# Altium PCB 电磁阀V4.0.PcbDoc (part 1 of 2) (continued)
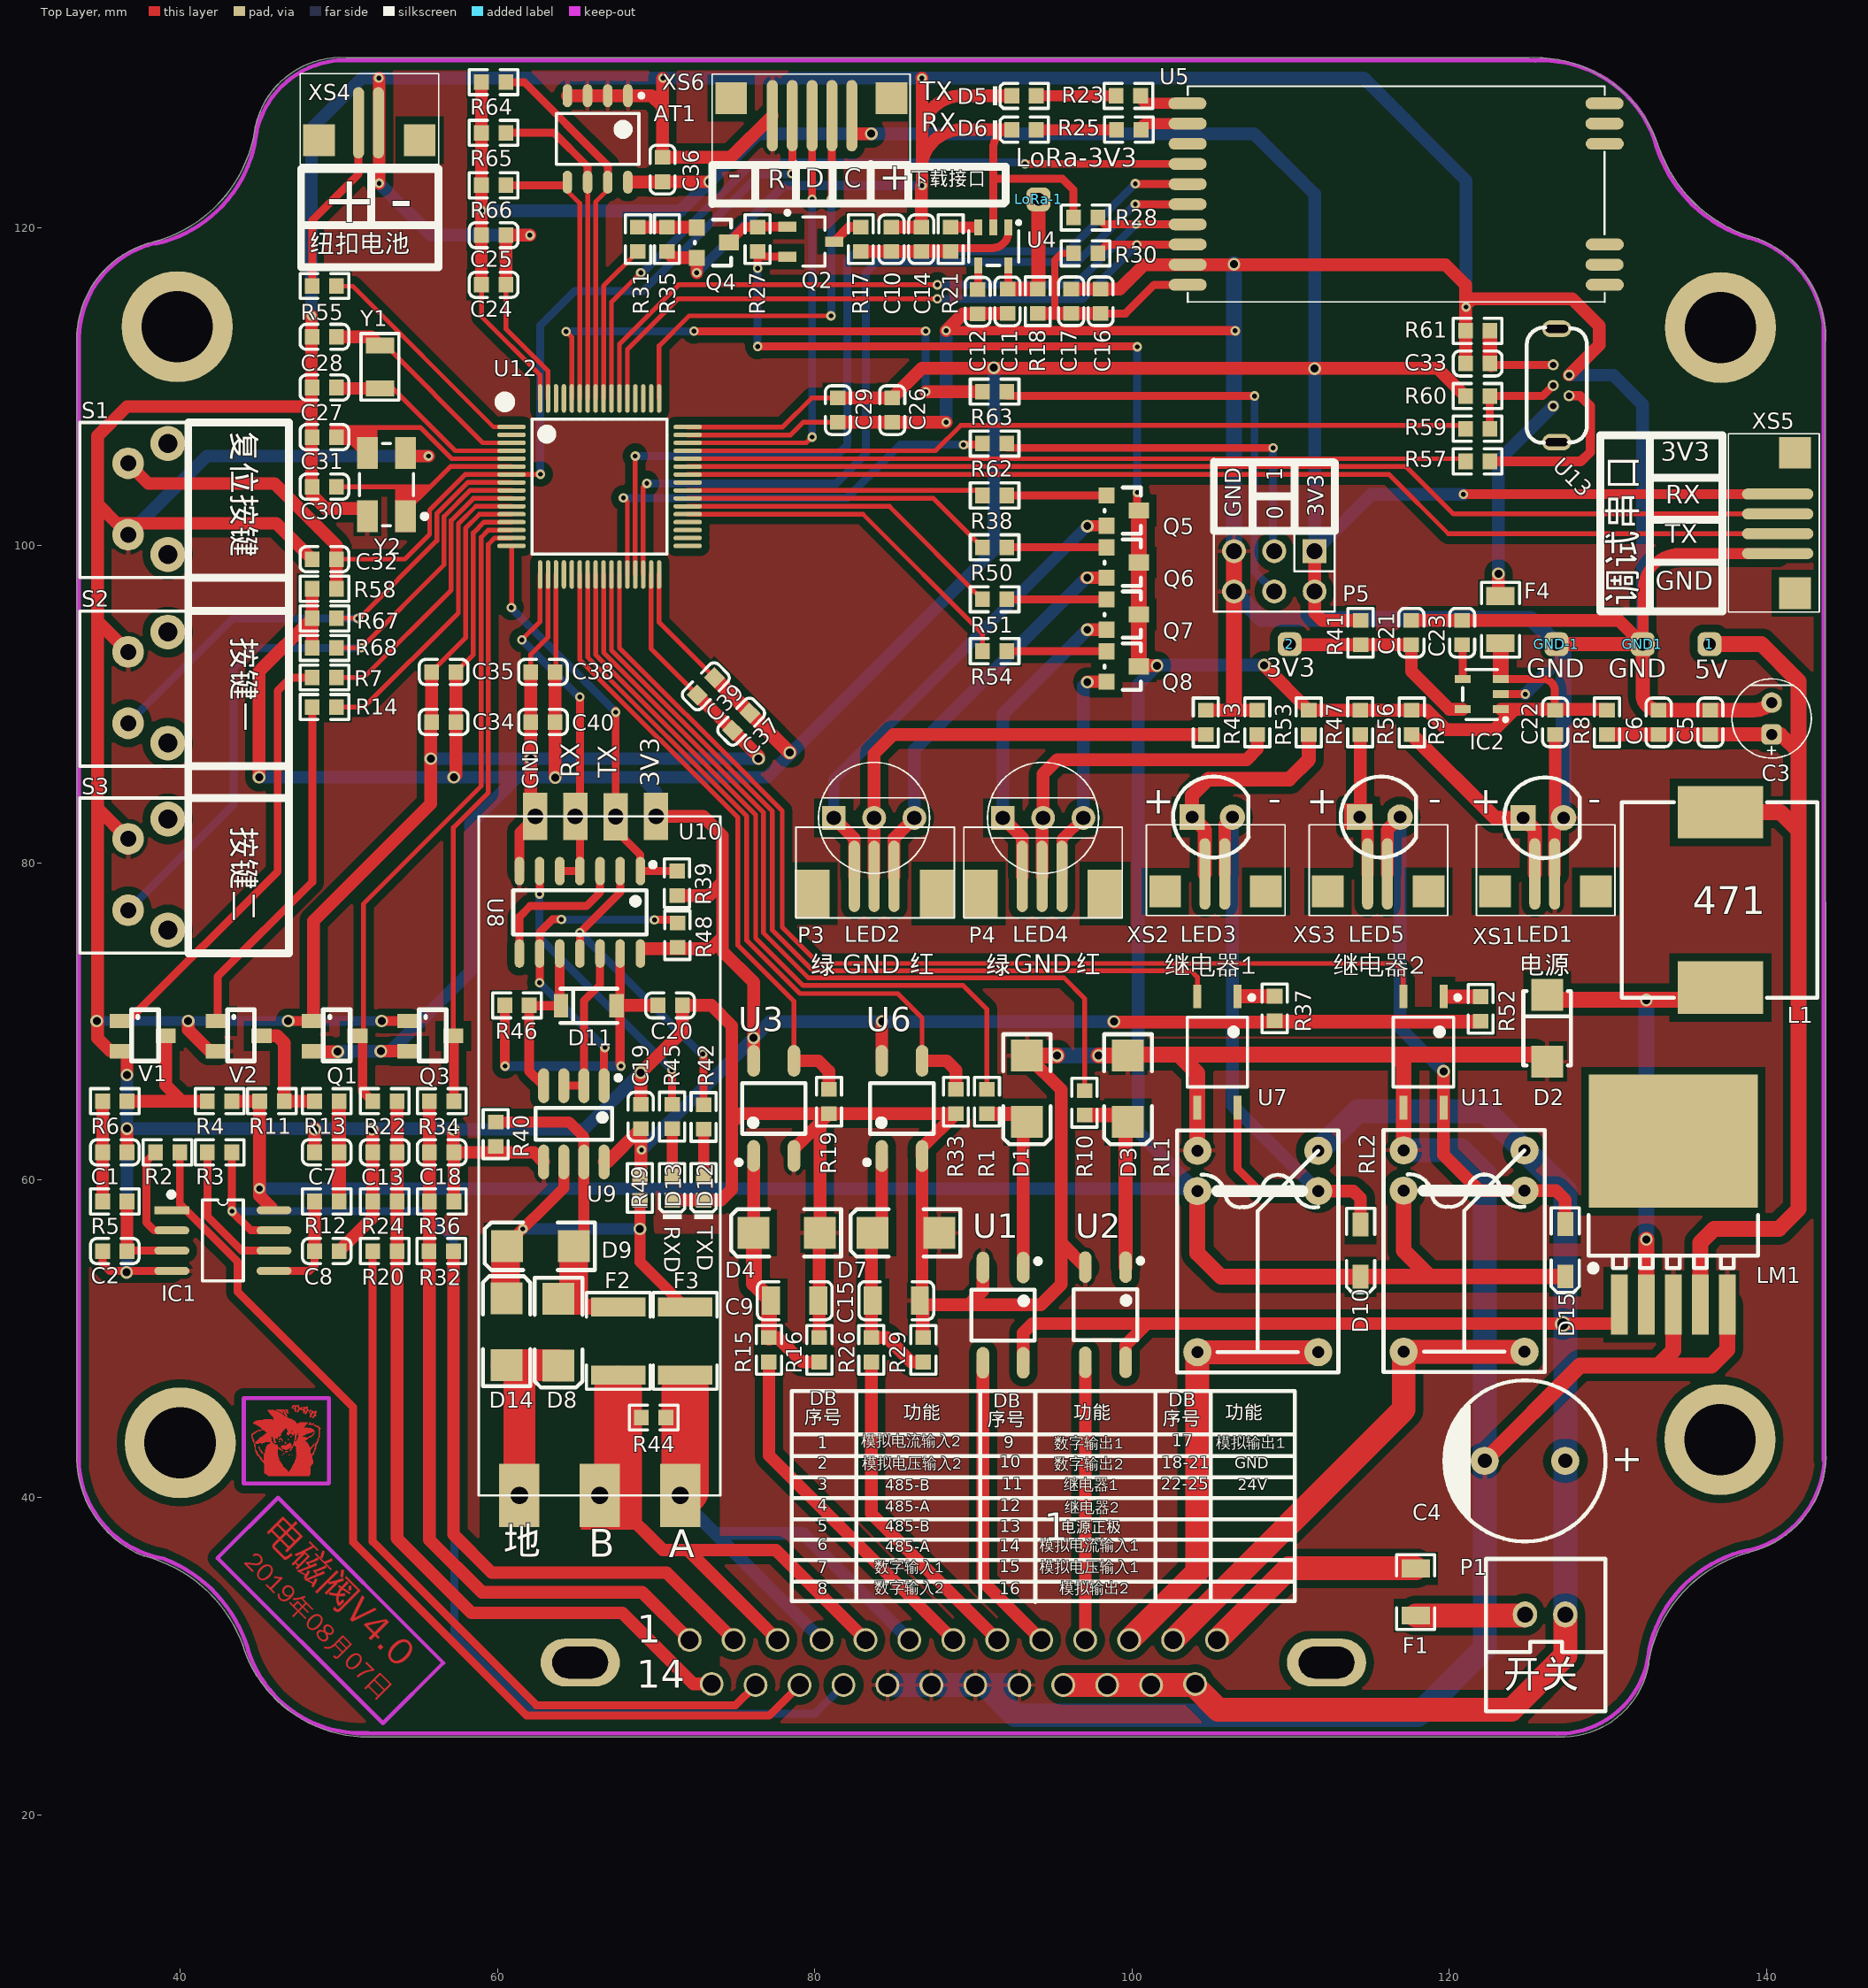
[diagram p0: Top Layer view]
## Nets (pads, with @x,y where several pads share a name; then routed paths per layer and width w, separated by ;. In a path a pad name is that pad's centre, name@x,y a point inside that pad or via, vN(x,y) a via of type N, cw(c..) or ccw(c..) an arc to the next point about the centre after c; other vN are vias at no path point) (continued)
B: F2.2 P2.3 P2.5 R44.2 U10.6 | length 34.2
  Top Layer w0.8: U10.6@67.614,39.498 70.434,36.678 77.541,36.678 P2.5@83.208,31.011 ; 72.137,36.542 P2.3@77.668,31.011
  Top Layer w3: U10.6@67.614,39.498 67.614,46.812
BOOT0: R63.2 U12.60 | length 34.4
  Top Layer w0.3: v1(64.338,113.487) 64.692,113.133 U12.60@64.692,109.271
  Top Layer w0.5: v1(72.39,113.513) v1(86.995,113.513)
  Top Layer w0.8: v1(86.995,109.698) R63.2@90.568,109.698
  Bottom Layer w0.5: v1(64.338,113.487) 64.364,113.513 v1(72.39,113.513) ; v1(86.995,109.698) v1(86.995,113.513)
BOOT1: R62.1 U12.28 | length 29
  Top Layer w0.3: v1(67.945,102.997) 67.97,102.997 68.192,102.775 U12.28@68.192,98.171
  Top Layer w0.5: v1(89.383,106.35) 90.492,106.35 R62.1@90.568,106.426
  Bottom Layer w0.5: v1(67.945,102.997) 82.042,102.997 85.395,106.35 v1(89.383,106.35)
COM+1: P2.11 RL1.3 RL1.4 | length 27.5
  Top Layer w1.5: P2.11@99.828,31.011 104.115,35.298 RL1.3@104.115,49.149 RL1.4@111.735,49.149
COM+2: P2.12 RL2.3 RL2.4 | length 31.8
  Top Layer w1.5: P2.12@102.598,31.011 117.119,45.532 RL2.3@117.119,49.174 RL2.4@124.739,49.174
D+: R59.1 R60.1 U13.3 | length 6.3
  Top Layer w0.5: R59.1@122.553,107.36 R60.1@122.553,109.418 125.872,109.418 U13.3@126.543,110.088
D-: R57.1 U13.2 | length 11.1
  Top Layer w0.6: R57.1@122.553,105.303 128.29,105.303 128.88,105.893 128.88,108.788 128.23,109.438 U13.2@127.543,109.438
DC_IN: F1.1 P2.13 | length 14.4
  Top Layer w1.5: P2.13@105.368,31.011 109.883,35.526 F1.1@117.881,35.526
DI1: R19.2 U3.3 U12.22 | length 39.9
  Top Layer w0.3: U12.22@65.192,98.171 65.192,92.821 75.159,82.855 75.159,74.803 78.689,71.272 U3.3@78.689,67.516
  Top Layer w0.8: U3.3@78.689,67.516 80.236,67.516 80.899,66.853 R19.2@80.899,65.718
DI2: R33.2 U6.3 U12.23 | length 46.6
  Top Layer w0.3: U12.23@65.692,98.171 65.692,92.963 75.717,82.938 75.717,75.108 79.07,71.755 85.242,71.755 86.766,70.231 U6.3@86.766,67.516
  Top Layer w0.8: U6.3@86.766,67.516 88.316,67.516 88.9,66.932 R33.2@88.9,65.718
DI_1: P2.7 R15.1 | length 22.3
  Top Layer w0.8: R15.1@77.114,48.531 77.114,42.645 P2.7@88.748,31.011
DI_2: P2.8 R26.1 | length 20.8
  Top Layer w0.8: R26.1@83.566,48.531 83.566,38.963 P2.8@91.518,31.011
DO1: R1.1 U12.24 | length 48.6
  Top Layer w0.3: U12.24@66.192,98.171 66.192,93.116 74.219,85.09 74.219,85.079 76.283,83.015 76.283,75.253 79.273,72.263 89.357,72.263 90.856,70.764 R1.1@90.856,65.718
DO2: R10.1 U12.25 | length 54.5
  Top Layer w0.3: U12.25@66.692,98.171 66.692,93.258 74.886,85.065 74.886,85.053 76.759,83.181 76.759,75.59 79.604,72.746 95.707,72.746 97.003,71.45 R10.1@97.003,65.642
DO_1: P2.9 U1.3 | length 19
  Top Layer w0.8: U1.3@90.602,48.486 90.602,34.697 P2.9@94.288,31.011
DO_2: P2.10 U2.3 | length 17
  Top Layer w0.8: P2.10@97.058,31.011 U2.3@97.058,48.008
EPROM_SCL: AT1.6 R65.1 U12.58 | length 20.7
  Top Layer w0.3: AT1.6@65.684,122.936 65.692,122.928 U12.58@65.692,109.271
  Top Layer w0.5: R65.1@60.536,126.009 63.576,126.009 65.684,123.901 65.684,122.936 AT1.6@65.684,122.903
EPROM_SDA: AT1.5 R66.1 U12.59 | length 17.9
  Top Layer w0.3: AT1.5@64.414,122.903 64.414,122.352 65.192,121.574 U12.59@65.192,109.271
  Top Layer w0.5: R66.1@60.536,122.707 64.218,122.707 AT1.5@64.414,122.903
GND: AT1.1 AT1.2 AT1.3 AT1.4 C1.1 C2.1 C3.2 C4.2 C5.1 C6.1 C7.1 C8.1 C9.1 C10.2 C11.1 C12.1 C13.1 C14.1 C15.1 C16.1 C17.1 C18.1 C19.2 C20.2 C21.1 C22.1 C23.1 C24.2 C25.2 C26.2 C27.2 C28.2 C29.1 C30.2 C31.2 C32.2 C33.1 C34.1 C35.1 C36.1 C37.1 C38.1 C39.2 C40.2 D1.1 D2.1 D3.1 D4.1 D5.K D6.K D7.1 D12.K D13.K GND1.1 GND-1.1 IC1.4 IC2.2 LED1.2 LM1.3 LM1.5 P2.18 P2.19 P2.20 P2.21 P5.5 P5.6 Q1.1 Q3.1 Q4.2 R16.1 R19.1 R24.1 R28.1 R29.1 R33.1 R35.1 R36.1 R40.1 R43.1 R53.1 R61.1 RL1.1 RL2.1 S1.1 S2.2 S3.2 U1.2 U2.2 U3.2 U4.2 U5.9 U6.2 U7.3 U8.7 U9.5 U10.4 U11.3 U12.12 U12.18 U12.31 U12.47 U12.63 U13.4 V1.2 V2.2 XS1.1 XS4.1 XS5.4 XS6.1 Y2.2 Y2.4 | length 993.2
  Top Layer w0.3: C35.1@55.847,92.024 57.998,94.175 57.998,101.092 58.876,101.971 U12.12@60.892,101.971 ; C24.2@60.536,116.434 60.536,113.657 63.192,111.001 U12.63@63.192,109.271 ; C38.1@62.103,92.024 62.103,93.137 63.192,94.226 U12.18@63.192,98.171 ; U12.31@69.692,98.171 69.692,93.478 C39.2@72.592,90.579 ; U12.47@71.992,106.971 78.472,106.971 79.265,107.764 C29.1@81.458,107.764
  Top Layer w0.5: C2.1@35.12,55.524 35.12,54.72 35.565,54.275 IC1.4@39.483,54.275 ; U4.2@91.252,120.231 91.252,123.165 ; D6.K@92.423,126.213 ccw(c92.423,125.042) 91.252,125.042 91.252,123.165 ; R28.1@96.309,120.675 96.309,122.411 95.606,123.114 91.303,123.114 91.252,123.165 ; IC2.2@123.241,90.627 v1(124.79,90.627) ; D2.1@125.378,67.907 D2.1@126.111,67.174
  Top Layer w0.6: v2(46.812,70.028) Q1.1@48.412,70.028 ; v2(52.705,70.028) Q3.1@54.458,70.028 ; U8.7@61.391,79.479 61.391,81.931 U10.4@62.385,82.925 ; v1(88.29,113.538) 106.497,113.538 v1(106.502,113.533)
  Top Layer w0.7: GND1.1@132.182,93.777 ccw(c132.182,93.802) 132.207,93.802 132.207,97.155 cw(c134.544,97.155) 134.544,99.492 XS5.4@140.691,99.492
  Top Layer w0.8: V1.2@35.611,68.128 34.798,68.941 34.798,83.439 ; V1.2@36.322,68.128 36.652,67.798 v2(36.652,66.624) ; C1.1@36.66,61.747 v2@36.66,63.238 ; S3.2@36.728,81.509 34.798,83.439 ; S2.2@36.728,93.294 34.798,95.225 ; v2(40.513,70.028) 40.513,69.469 41.854,68.128 V2.2@42.367,68.128 ; v1(48.285,114.478) 48.285,108.763 ; C32.2@48.328,99.136 46.068,101.397 36.013,101.397 34.798,102.612 ; Q1.1@48.412,70.028 48.412,76.327 55.804,83.718 v2(55.804,86.563) 55.804,88.832 C34.1@55.847,88.875 C35.1@55.847,92.024 ; C7.1@48.481,61.747 48.481,63.263 v2@48.489,63.271 ; C8.1@50.021,55.524 52.138,57.642 R24.1@52.138,58.649 C13.1@52.138,61.747 52.138,63.152 v2(52.095,63.195) ; Y2.4@51.81,101.835 51.308,102.337 49.174,102.337 48.328,103.183 C30.2@48.328,103.708 48.285,103.751 48.285,108.763 ; v1(52.527,129.464) 52.553,129.438 v1(52.553,122.834) ; Y2.2@54.21,105.835 54.406,105.639 v1(55.651,105.639) ; 57.226,62.332 v2(57.226,63.195) ; R36.1@57.26,58.649 C18.1@57.26,61.747 62.311,61.747 U9.5@62.915,61.144 ; C24.2@60.536,116.434 C25.2@60.536,119.558 v1(62.052,119.558) ; C38.1@62.103,92.024 C40.2@62.103,88.875 62.103,83.208 U10.4@62.385,82.925 ; AT1.4@64.414,128.353 AT1.3@65.684,128.353 AT1.2@66.954,128.353 AT1.1@68.224,128.353 69.716,128.353 70.409,127.66 ; C19.2@69.036,64.771 69.036,66.75 71.66,69.374 C20.2@71.66,71.012 73.489,71.012 74.778,69.723 74.778,63.602 ; v1(70.434,129.464) 70.409,129.438 70.409,127.66 ; R35.1@70.687,118.534 71.085,118.136 Q4.2@72.568,118.136 v1(72.568,117.196) ; D13.K@71.017,58.736 72.136,58.736 ; 72.111,58.71 72.136,58.736 ; C39.2@72.592,90.579 76.454,86.716 v2(76.454,86.563) ; XS6.1@77.336,127.094 74.71,124.468 C36.1@70.409,124.468 70.409,127.66 ; U3.2@78.715,61.993 80.332,63.611 ; R16.1@80.289,50.071 D4.1@80.289,56.668 ; D4.1@80.332,56.668 80.332,63.611 ; C29.1@81.458,107.764 C26.2@84.887,107.764 v1(88.29,107.764) ; C14.1@84.836,120.074 C10.2@86.716,120.074 v1@86.716,122.682 ; U6.2@86.741,61.516 86.741,62.019 R33.1@88.9,64.178 R19.1@80.899,64.178 ; v1(86.758,129.464) 86.766,129.456 86.766,126.312 ; U6.2@86.766,61.516 86.766,50.148 R29.1@86.843,50.071 86.843,52.188 86.885,52.146 89.713,52.146 ; v1(86.766,122.682) 86.766,124.178 ; v1(88.29,113.538) 89.349,114.597 C12.1@90.272,114.597 ; C12.1@90.272,114.622 C11.1@92.151,114.622 cw(c92.126,114.622) 92.126,114.597 C11.1@92.118,114.605 ; U1.2@90.602,54.486 90.602,53.035 89.713,52.146 ; D6.K@92.423,126.213 89.256,126.213 ccw(c89.256,123.673) 86.766,124.178 ; D5.K@92.423,128.346 89.256,128.346 ccw(c89.256,125.806) 86.766,126.312 ; D1.1@93.37,67.861 93.388,67.843 95.529,65.702 95.529,56.035 ; C17.1@96.164,116.165 C16.1@98.019,116.165 99.223,116.165 100.762,117.704 U5.9@103.505,117.704 119.752,117.704 121.013,116.442 v1@121.013,115.12 ; U2.2@97.053,54.511 95.529,56.035 ; R43.1@104.648,89.619 R53.1@107.893,89.619 ; C21.1@117.602,95.276 C23.1@120.802,95.276 130.682,95.276 GND1.1@132.182,93.777 ; C33.1@121.013,111.475 R61.1@121.013,113.533 v1@121.013,115.12 ; XS1.1@126.635,79.297 126.635,82.27 LED1.2@126.67,82.304 ; C22.1@126.67,88.079 LED1.2@126.67,82.304 ; LED1.2@127.195,82.829 LED1.2@126.67,82.304 ; U13.4@127.543,110.738 129.438,112.634 129.438,113.843 127.737,115.545 121.437,115.545 v1@121.013,115.12 ; 34.798,83.439 34.798,95.225 ; 34.798,95.225 34.798,102.612 ; 34.798,102.612 34.798,106.909 36.652,108.763 48.285,108.763 ; 72.136,58.736 D12.K@72.998,58.736 74.103,58.736 74.778,59.411 74.778,63.602 ; 74.778,63.602 75.354,64.178 R19.1@80.899,64.178 ; 80.332,63.611 R19.1@80.899,64.178 ; 86.766,124.178 86.766,126.312 ; 89.713,52.146 94.259,52.146 95.529,53.416 95.529,56.035
  Top Layer w0.9: GND-1.1@126.746,93.777 GND1.1@132.182,93.777 132.182,90.627 ccw(c133.189,90.627) C6.1@133.189,89.619 C5.1@136.449,89.619 139.164,89.619 ccw(c139.164,91.24) C3.2@140.31,90.094
  Top Layer w1: D1.1@93.388,67.843 v2(95.275,67.843) ; v2(97.892,67.843) 97.909,67.861 D3.1@99.74,67.861 99.786,67.907 116.548,67.907 ; 102.997,67.861 104.115,66.743 U7.3@104.115,64.572 RL1.1@104.115,61.849 ; 106.426,89.721 P5.5@106.426,99.644 ; RL2.1@117.119,61.874 117.119,67.335 116.548,67.907 ; C4.2@122.022,42.367 C4.2@122.089,42.435 ; C4.2@122.225,42.3 128.238,48.313 133.174,48.313 ; D2.1@125.378,67.907 116.548,67.907 ; LM1.3@134.112,52.146 134.112,49.251 133.174,48.313 ; LM1.5@137.512,52.146 137.512,49.315 136.509,48.313 133.174,48.313
  Bottom Layer w0.6: v2(34.747,70.028) v2(40.513,70.028) v2(46.812,70.028) v2(52.705,70.028) ; v1(72.568,117.196) 78.054,122.682 v1(86.766,122.682)
  Bottom Layer w0.8: v2@36.652,54.178 v2(36.652,63.246) ; v2(36.652,66.624) v2(36.652,63.246) ; S1.1@36.728,100.681 41.686,105.639 v1(55.651,105.639) ; v1(48.285,114.478) 48.285,126.289 51.46,129.464 v1(52.527,129.464) v1(70.434,129.464) v1(86.758,129.464) 114.605,129.464 121.056,123.012 v1(121.056,115.037) ; v1(52.553,122.834) 55.829,119.558 v1(62.052,119.558) ; v2(55.804,86.563) v2(62.103,86.563) v2(76.454,86.563) ; v2(69.037,66.777) 65.456,63.195 v2(57.226,63.195) 57.175,63.246 v2(36.652,63.246) ; v1(88.29,107.764) v1(88.29,113.538) ; v1@124.777,90.64 126.746,92.608 ; U13.4@127.543,110.738 130.333,110.738 132.182,108.89 GND1.1@132.182,93.777
  Bottom Layer w1: v2(95.275,67.843) v2(97.892,67.843) ; P5.6@106.426,97.104 108.153,95.377 125.146,95.377 GND-1.1@126.746,93.777 127.195,93.328 LED1.2@127.195,82.829 ; P5.5@106.426,99.644 v2(106.426,117.729)
  Bottom Layer w1.5: P2.18@84.593,28.171 87.363,28.171 90.133,28.171 P2.20@90.726,28.171 ; P2.21@92.903,28.171 P2.20@90.726,28.171 ; RL2.1@117.119,61.874 120.726,61.874 122.225,60.376 C4.2@122.225,42.3 122.225,30.48 118.008,26.264 92.634,26.264 P2.20@90.726,28.171
  other v2: 36.627,54.178 48.489,63.195
GROUND: D8.2 D14.1 U10.5 | length 11.7
  Top Layer w2: D14.1@60.578,48.338 63.829,48.338 D8.2@63.854,48.313 ; U10.5@61.385,40.125 61.385,47.696 62.001,48.313
IIN1: C13.2 P2.14 R20.2 R22.1 R24.2 | length 51.2
  Top Layer w0.8: R22.1@53.678,64.973 R20.2@53.678,55.524 53.678,37.406 58.369,32.715 67.869,32.715 72.35,28.234 P2.14@73.513,28.234
IIN2: C18.2 P2.1 R32.2 R34.1 R36.2 | length 56.1
  Top Layer w0.5: R32.2@55.694,55.524 55.694,64.948 R34.1@55.72,64.973
  Top Layer w0.8: R34.1@55.72,64.973 R36.2@55.72,58.649 55.72,37.321 59.03,34.011 69.128,34.011 P2.1@72.128,31.011
K1: R67.2 S2.1 U12.8 | length 32.8
  Top Layer w0.3: R67.2@49.868,95.407 51.288,95.407 56.182,100.301 56.182,102.017 58.136,103.971 U12.8@60.892,103.971
  Bottom Layer w0.5: S2.1@36.728,88.794 43.337,95.402 v1(51.206,95.402)
K2: R68.2 S3.1 U12.9 | length 43.5
  Top Layer w0.3: R68.2@49.868,93.543 v1(51.405,93.543) 56.636,98.774 56.636,101.829 58.278,103.471 U12.9@60.892,103.471
  Bottom Layer w0.5: S3.1@36.728,77.009 43.385,83.665 43.385,92.331 44.597,93.543 v1(51.405,93.543)
KCZJ-1: U7.2 U12.26 | length 55.8
  Top Layer w0.3: U12.26@67.192,98.171 67.192,93.401 75.445,85.148 75.445,85.137 77.336,83.246 77.336,75.75 79.886,73.2 103.711,73.2 104.115,72.796 U7.2@104.115,71.572
KCZJ-2: U11.2 U12.27 | length 68.4
  Top Layer w0.3: U12.27@67.692,98.171 67.692,93.543 76.022,85.213 76.022,85.201 77.953,83.271 77.953,75.946 80.245,73.654 116.592,73.654 117.094,73.152 U11.2@117.094,71.572
LED1: R38.1 U12.40 | length 18.9
  Top Layer w0.3: U12.40@71.992,103.471 90.252,103.471 R38.1@90.568,103.154 ; R38.1@90.464,102.984 R38.1@90.568,102.88 ; R38.1@90.535,103.121 R38.1@90.568,103.088
LED2: R50.2 U12.39 | length 20
  Top Layer w0.3: U12.39@71.992,102.971 87.481,102.971 R50.2@90.568,99.883 ; R50.2@90.464,99.713 R50.2@90.568,99.609 ; R50.2@90.535,99.85 R50.2@90.568,99.817
LED3: R51.1 U12.38 | length 21.2
  Top Layer w0.3: U12.38@71.992,102.471 84.709,102.471 R51.1@90.568,96.611 ; R51.1@90.464,96.441 R51.1@90.568,96.337 ; R51.1@90.535,96.578 R51.1@90.568,96.545
LED4: R54.2 U12.37 | length 23.1
  Top Layer w0.3: U12.37@71.992,101.971 83.043,101.971 90.568,94.445 R54.2@90.568,93.34 R54.2@90.568,93.274 ; R54.2@90.535,93.307 R54.2@90.568,93.274 ; R54.2@90.568,93.066 R54.2@90.568,93.274
LED_1: LED2.1 P3.3 Q5.2 | length 30.5
  Top Layer w0.7: v2(97.18,101.219) 97.206,101.244 Q5.2@98.4,101.244
  Top Layer w0.8: LED2.1@81.204,82.829 82.499,81.534 P3.3@82.499,79.146
  Bottom Layer w0.7: LED2.1@81.204,82.829 81.204,85.242 v2(97.18,101.219)
LED_2: LED2.3 P3.1 Q6.2 | length 25.1
  Top Layer w0.8: P3.1@84.999,79.146 84.999,81.545 LED2.3@86.284,82.829 ; v2@97.13,97.968 Q6.2@98.4,97.968
  Bottom Layer w0.8: LED2.3@86.284,82.829 86.284,87.122 v2@97.13,97.968
  other v2: 97.18,97.968
LED_3: LED4.1 P4.3 Q7.2 | length 19.5
  Top Layer w0.8: LED4.1@91.852,82.829 93.08,81.602 P4.3@93.08,79.146 ; v2(97.18,94.691) Q7.2@98.4,94.691
  Bottom Layer w0.8: LED4.1@91.852,82.829 91.852,89.363 v2(97.18,94.691)
LED_4: LED4.3 P4.1 Q8.2 | length 14.1
  Top Layer w0.7: P4.1@95.58,79.146 95.58,81.477 LED4.3@96.932,82.829
  Top Layer w0.8: v2@97.18,91.415 Q8.2@98.4,91.415
  Bottom Layer w0.8: LED4.3@96.932,82.829 96.932,91.141 v2(97.18,91.389)
LED_A: LED2.2 P3.2 R43.2 | length 29.1
  Top Layer w0.8: P3.2@83.749,79.146 83.749,83.281 83.744,83.287 83.744,86.868 84.955,88.079 R43.2@104.648,88.079
LED_B: LED4.2 P4.2 R53.2 | length 21.5
  Top Layer w0.8: P4.2@94.33,79.146 94.33,82.767 LED4.2@94.392,82.829 94.392,85.604 95.288,86.5 107.213,86.5 107.893,87.179 R53.2@107.893,88.079
LoRa_3V3: C16.2 C17.2 R18.2 R30.1 U5.10 | length 15
  Top Layer w0.45: 95.047,114.625 95.123,114.701 95.123,117.983 95.555,118.415 R30.1@96.309,118.415
  Top Layer w0.5: C16.2@98.019,114.625 99.588,114.625 101.397,116.434 U5.10@103.505,116.434
  Top Layer w0.8: R18.2@94.056,114.625 95.047,114.625 C17.2@96.164,114.625 C16.2@98.019,114.625
LORA_PWR: R31.1 U12.56 | length 10.2
  Top Layer w0.3: U12.56@66.692,109.271 66.692,116.368 R31.1@68.859,118.534
LoRa_RX: U5.5 U12.29 | length 56.2
  Top Layer w0.3: U12.29@68.692,98.171 v1(68.692,105.639)
  Top Layer w0.5: v1(100.203,122.809) 100.228,122.784 U5.5@103.505,122.784
  Bottom Layer w0.5: v1@68.732,105.639 81.356,105.639 82.042,106.324 82.042,117.958 82.62,118.535 95.929,118.535 v1(100.203,122.809)
LoRa_TX: U5.6 U12.30 | length 53.9
  Top Layer w0.3: U12.30@69.192,98.171 69.192,103.686 v1(69.418,103.911)
  Top Layer w0.5: v1(100.203,121.514) U5.6@103.505,121.514
  Bottom Layer w0.5: v1@69.444,103.911 81.356,103.911 83.236,105.791 83.236,117.221 83.896,117.881 96.571,117.881 v1(100.203,121.514)
MCU_RX: U12.43 XS5.2 | length 69.9
  Top Layer w0.3: U12.43@71.992,104.971 117.279,104.971 120.258,101.992 XS5.2@140.691,101.992
MCU_TX: U12.42 XS5.3 | length 70.2
  Top Layer w0.3: U12.42@71.992,104.471 116.204,104.471 119.933,100.742 XS5.3@140.691,100.742
Net1_1: 1.1 C3.1 C5.2 C6.2 L1.2 LM1.4 R8.1 | length 68.8
  Top Layer w0.9: R8.1@129.929,88.079 129.929,88.094 C3.1@140.31,88.094 140.887,88.094 142.011,86.97
  Top Layer w1: LM1.4@135.812,52.146 135.812,56.056 136.677,56.921 140.767,56.921 142.011,58.166 142.011,82.042 ; 1.1@136.398,93.777 139.675,93.777 142.011,91.44 142.011,86.97 142.011,82.042 ; L1.2@137.084,83.185 140.868,83.185 142.011,82.042
Net2_1: 2.1 C21.2 IC2.5 R41.1 | length 13.6
  Top Layer w0.8: 2.1@109.931,93.777 109.972,93.736 C21.2@117.602,93.736 117.602,92.075 120,89.677 IC2.5@120.841,89.677
NetC1_2: C1.2 R5.1 R6.2 | length 6.3
  Top Layer w0.8: R5.1@35.12,58.649 R6.2@35.12,64.973
NetC2_2: C2.2 IC1.3 R5.2 | length 6
  Top Layer w0.5: C2.2@36.66,55.524 36.686,55.55 IC1.3@39.483,55.55
  Top Layer w0.8: C2.2@36.66,55.524 R5.2@36.66,58.649
NetC7_2: C7.2 R12.1 R13.2 | length 6.3
  Top Layer w0.9: R12.1@50.021,58.649 R13.2@50.021,64.973
NetC8_2: C8.2 IC1.5 R12.2 | length 6.7
  Top Layer w0.5: IC1.5@45.923,54.275 48.145,54.275 48.481,54.61 C8.2@48.481,55.524
  Top Layer w0.8: C8.2@48.481,55.524 R12.2@48.481,58.649
NetC9_2: C9.2 D4.2 R15.2 R16.2 U3.1 | length 15.9
  Top Layer w0.8: D4.2@76.132,56.668 76.149,56.685 U3.1@76.149,61.516 ; R15.2@77.114,50.071 77.665,50.071 79.205,48.531 R16.2@80.289,48.531
  Top Layer w1: D4.2@76.132,56.668 76.175,56.625 76.175,53.476 C9.2@77.114,52.536 ; R15.2@77.114,50.071 C9.2@77.114,52.536 ; C9.2@77.25,52.4 C9.2@77.114,52.536
NetC10_1: C10.1 C14.2 R17.2 R21.1 U4.1 | length 12.1
  Top Layer w0.5: C10.1@86.716,118.534 cw(c86.927,118.534) 86.927,118.745 91.059,118.745 ccw(c91.059,119.888) 91.188,118.752 ccw(c91.188,119.767) 91.593,118.837 ccw(c91.188,119.767) 92.202,119.767 U4.1@92.202,120.053
  Top Layer w0.8: R17.2@82.906,118.534 C10.1@86.716,118.534 R21.1@88.57,118.534
NetC11_2: C11.2 LoRa-1.1 R18.1 U4.5 | length 8.9
  Top Layer w0.5: C11.2@92.151,116.162 ccw(c92.151,116.213) 92.202,116.213 U4.5@92.202,117.653
  Top Layer w0.9: C11.2@92.151,116.162 94.056,116.162 R18.1@94.056,116.165 ccw(c94.056,116.216) 94.107,116.216 LoRa-1.1@94.107,121.641
NetC12_2: C12.2 U4.4 | length 1.5
  Top Layer w0.5: C12.2@90.272,116.137 ccw(c90.272,116.167) 90.302,116.167 U4.4@90.302,117.653
NetC15_2: C15.2 D7.2 R26.2 R29.2 U6.1 | length 15.6
  Top Layer w0.8: D7.2@83.566,56.668 R26.2@83.566,50.071 84.549,50.071 86.089,48.531 R29.2@86.843,48.531 ; D7.2@83.651,56.668 84.226,57.243 U6.1@84.226,61.516
NetC20_1: C20.1 D11.1 R46.2 U8.13 | length 20.8
  Top Layer w0.6: R46.2@60.468,71.012 60.468,67.192 v1(60.477,67.183) ; D11.1@67.535,71.012 D11.1@67.741,71.218 ; v1@67.741,67.337 67.741,71.012 D11.1@67.741,71.218 ; U8.13@67.741,74.279 D11.1@67.741,71.218
  Top Layer w0.8: D11.1@67.741,71.012 C20.1@70.12,71.012
  Bottom Layer w0.6: v1(60.477,67.183) v1(67.793,67.183)